# Altium PCB PowerBoard.PcbDoc (part 3 of 4)
Units mm, origin at the board's own origin, x right, y up, seen from the top; angles counter-clockwise.
Board outline 214 x 155 mm, 4 copper layers (Top Layer, GND, VCC, Bottom Layer), stack 0.603 mm thick; 425 components, 261 nets, 1488 pads, 825 vias.
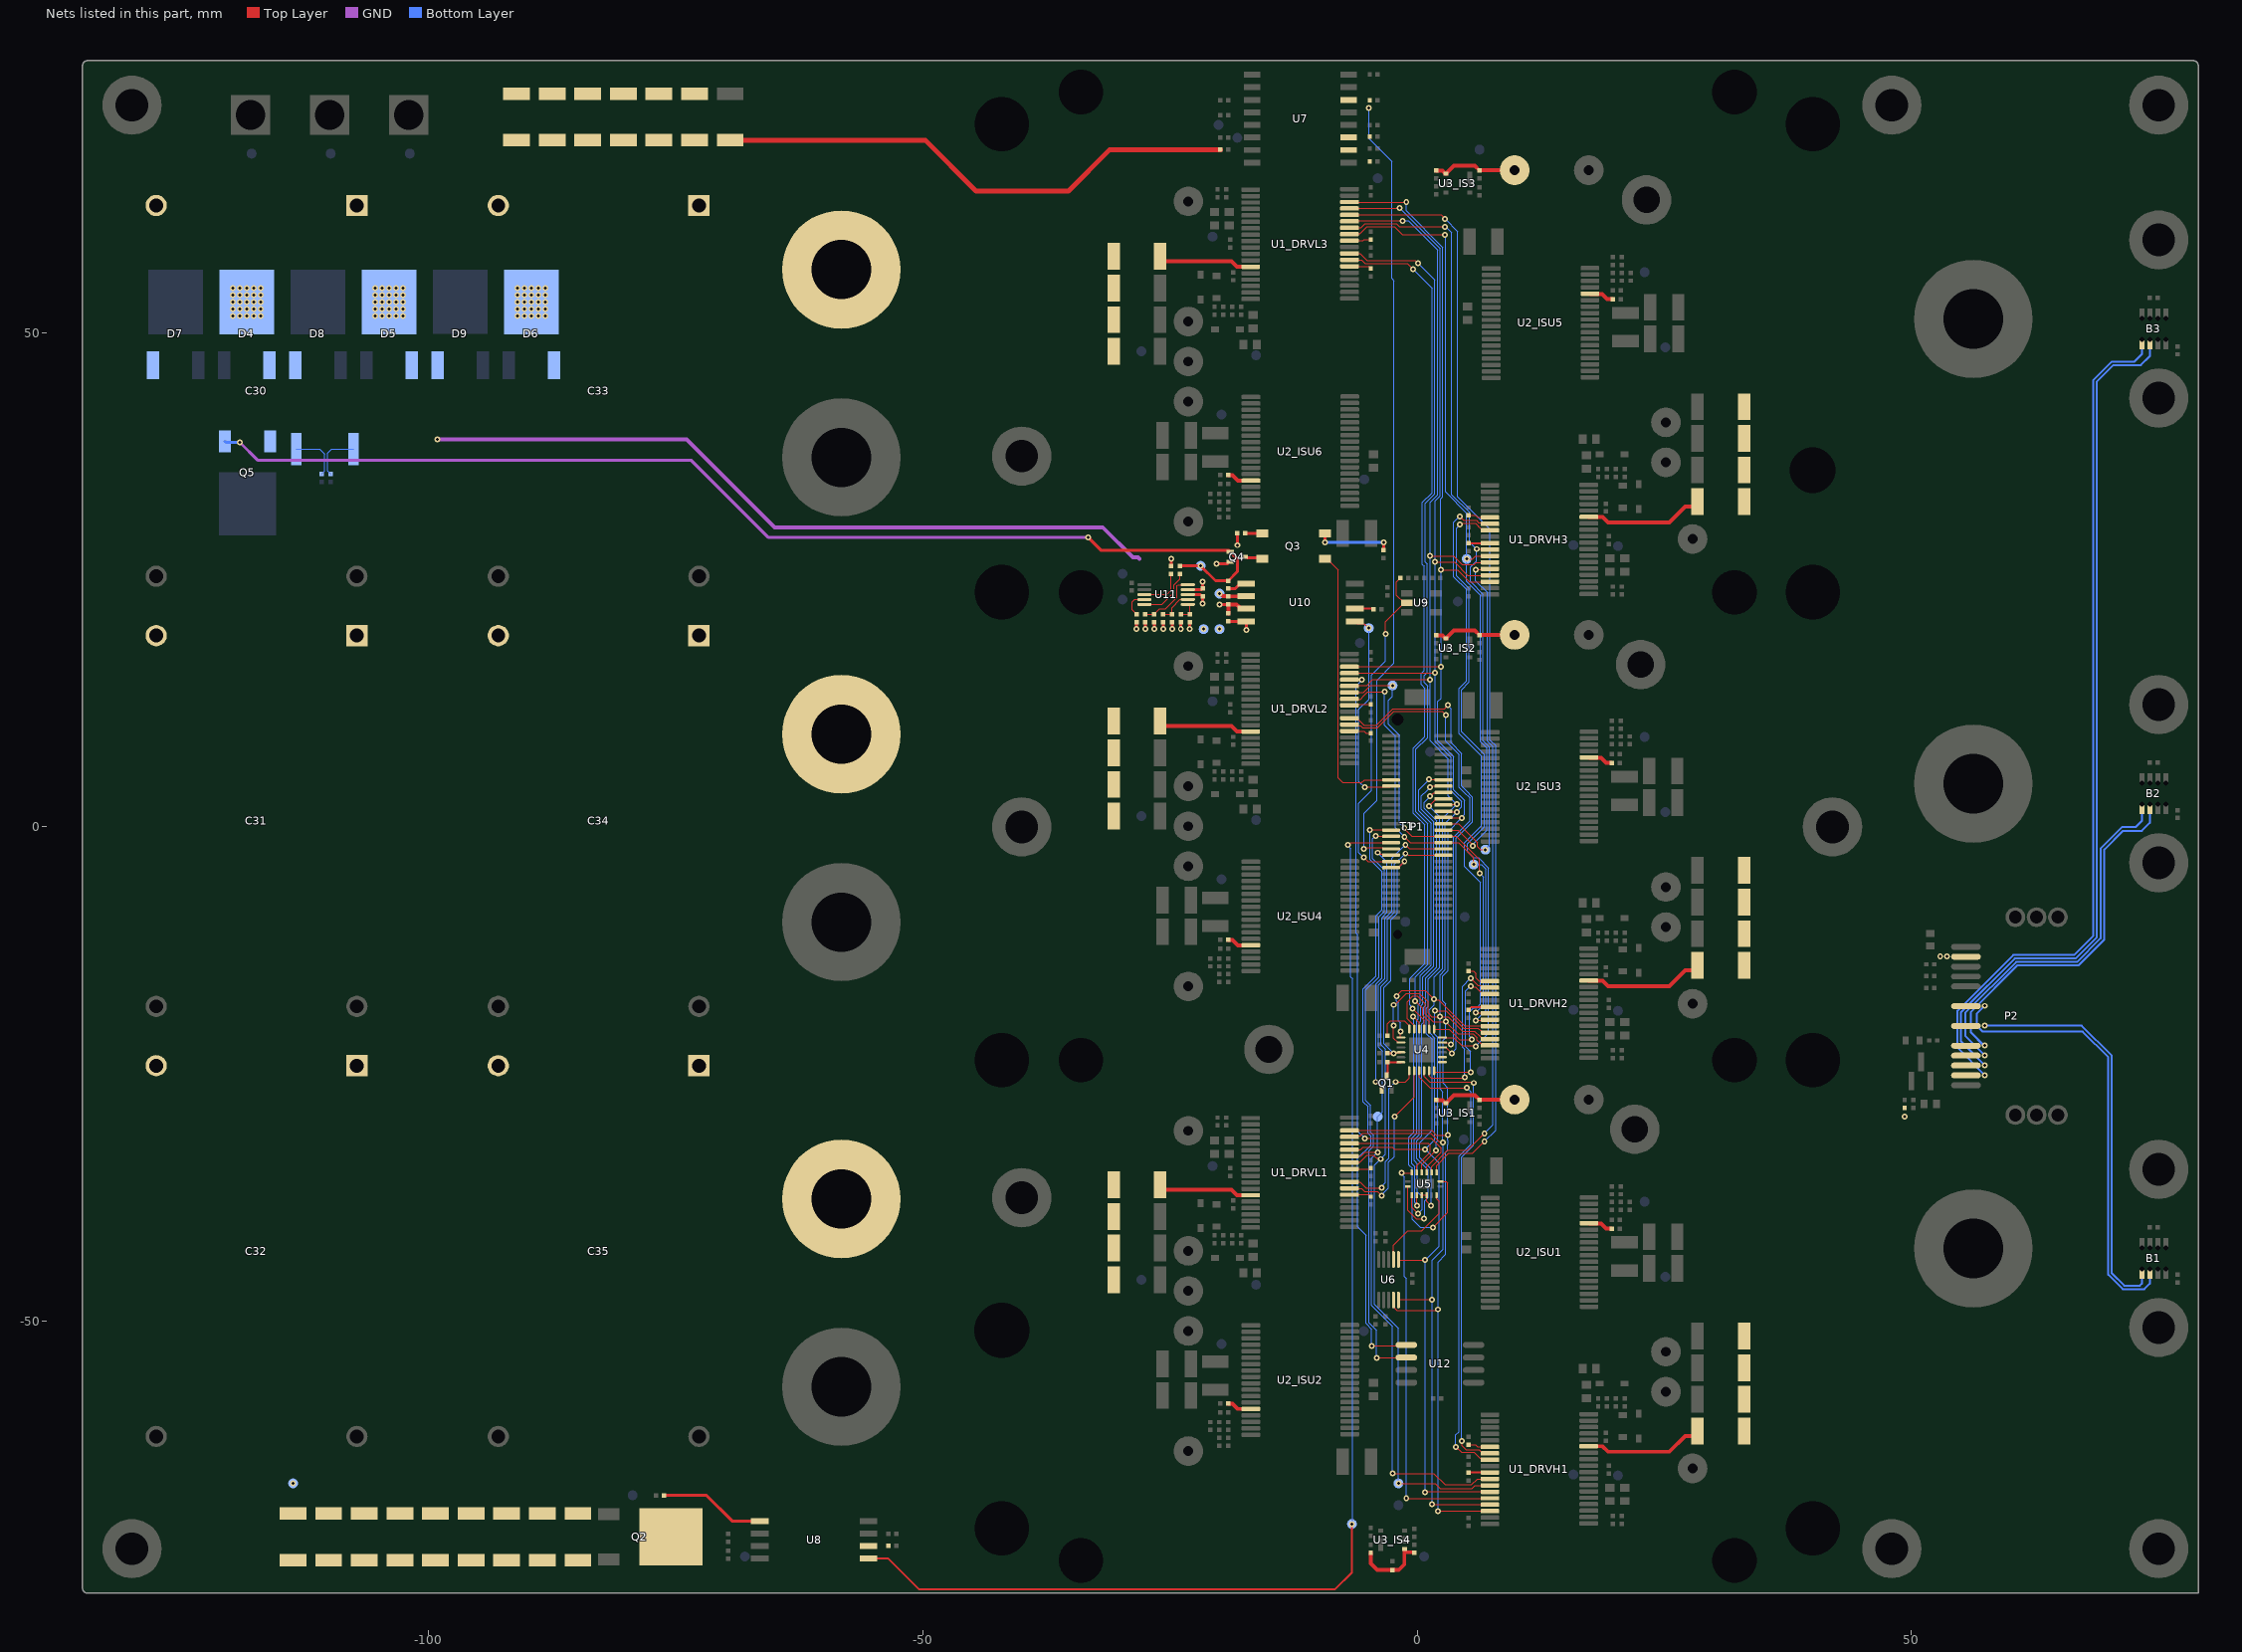
[diagram p5: the nets of this part, all layers, seen from the top]

## Via types
v1: diameter 0.6, hole 0.3, Top Layer to Bottom Layer, tented both sides, 825 vias

## Nets (pads, with @x,y where several pads share a name; then routed paths per layer and width w, separated by ;. In a path a pad name is that pad's centre, name@x,y a point inside that pad or via, vN(x,y) a via of type N, cw(c..) or ccw(c..) an arc to the next point about the centre after c; other vN are vias at no path point) (continued)
NetFBON_1: FBON.1 P1.43 U8.1 | length 129.1
  Top Layer w0.12: v1(-7,-1.8) -6.902,-1.8 -6.69,-1.587 P1.43@-2.65,-1.587
  Top Layer w0.2: U8.1@-55.5,-74.005 -53.505,-74.005 ; -53.5,-74 -50.4,-77.1 -8.3,-77.1 -6.6,-75.4 v1(-6.6,-70.5)
  Bottom Layer w0.12: v1(-7,-1.8) -7,-1.919 -6.72,-2.199 -6.72,-15.177 -6.55,-15.347 -6.55,-70.45 v1(-6.6,-70.5)
NetP1_20: P1.20 U5.4 U5.5 | length 46.2
  Top Layer w0.12: U5.4@0.45,-37.25 U5.5@0.95,-37.25 0.96,-37.26 0.96,-37.86 v1(1.4,-38.3) ; v1(1.2,2.1) 1.2,2.118 1.94,2.857 P1.20@2.65,2.857
  Bottom Layer w0.12: v1(1.2,2.1) 2.29,1.01 2.29,-14.216 1.12,-15.386 1.12,-18.147 0.92,-18.347 0.92,-20.899 1.51,-21.489 1.51,-30.69 0.25,-31.95 0.25,-33.45 1.4,-34.6 v1(1.4,-38.3)
NetP1_21: P1.21 U5.1 | length 50.9
  Top Layer w0.12: U5.1@-0.95,-36.35 -0.95,-38.771 -0.1,-39.621 v1(0.694,-39.621) ; v1(1.3,3.1) 1.3,3.11 1.647,3.457 2.614,3.457 P1.21@2.65,3.492
  Bottom Layer w0.12: v1(0.694,-39.621) 0.78,-39.535 0.78,-37.812 1.11,-37.482 1.11,-34.692 -0.02,-33.562 -0.02,-31.734 0.484,-31.229 0.484,-19.916 0.6,-19.8 0.6,-19.796 0.65,-19.746 0.65,-18.235 0.85,-18.035 0.85,-15.274 1.948,-14.176 1.948,0.631 0.69,1.889 0.69,2.49 v1(1.3,3.1)
NetP1_22: P1.22 U5.2 | length 48.8
  Top Layer w0.12: U5.2@-0.55,-37.25 -0.55,-38.471 0.079,-39.1 v1(0.1,-39.1) ; v1(1.3,4) 1.43,4 1.557,4.127 P1.22@2.65,4.127
  Bottom Layer w0.12: v1(0.1,-39.1) 0.51,-38.69 0.51,-37.38 0.03,-36.9 0.03,-34.084 -0.29,-33.764 -0.29,-31.622 0.214,-31.117 0.214,-19.8 0.38,-19.634 0.38,-18.123 0.58,-17.923 0.58,-15.162 1.678,-14.064 1.678,0.428 1.668,0.438 1.668,0.529 0.42,1.777 0.42,3.141 0.989,3.71 1.01,3.71 v1(1.3,4)
NetP1_23: P1.23 U5.3 | length 47.6
  Top Layer w0.12: U5.3@-0.05,-37.25 -0.025,-37.275 -0.025,-38.275 v1(0,-38.3) ; v1(1.2,4.8) 1.219,4.781 2.631,4.781 P1.23@2.65,4.763
  Bottom Layer w0.12: v1(0,-38.3) 0,-38.23 -0.24,-37.99 -0.24,-34.36 -0.56,-34.04 -0.56,-31.51 -0.056,-31.006 -0.056,-19.576 0.11,-19.41 0.11,-18.011 0.31,-17.811 0.31,-15.05 1.408,-13.952 1.408,0.365 0.15,1.623 0.15,3.75 v1(1.2,4.8)
NetP1_39: P1.39 R18.1 U4.22 | length 23.7
  Top Layer w0.12: P1.39@-2.65,-4.127 -1.926,-4.127 v1@-1.3,-3.501 ; v1(-2.4,-22.9) -2.323,-22.823 -1.673,-22.823 U4.22@-1.65,-22.8
  Top Layer w0.2: R18.1@-3.05,-22.85 R18.1@-3,-22.9 v1(-2.4,-22.9)
  Bottom Layer w0.12: v1(-2.4,-22.9) -3.38,-21.92 -3.38,-16.229 -2.67,-15.519 -2.67,-9.4 -2.031,-8.761 -2.031,-4.231 v1(-1.3,-3.5)
NetP1_40: P1.40 R44.1 U9.2 | length 34.1
  Top Layer w0.12: v1(-5.4,-3.1) -5,-3.5 P1.40@-2.658,-3.5 ; v1(-3.2,19.5) -3.2,20.775 -1.375,22.6 U9.2@-1.375,22.65 ; R44.1@-1.7,25.2 -2.1,24.8 -2.1,23.425 -1.375,22.7 -1.325,22.65 U9.2@-1.05,22.65
  Bottom Layer w0.12: v1(-5.4,-3.1) -5.91,-2.59 -5.91,2.39 -4.63,3.67 -4.63,15.37 -3.2,16.8 v1(-3.2,19.5)
NetP1_41: P1.41 Q1.1 | length 26.6
  Top Layer w0.12: v1(-4.2,-25.8) -3.74,-26.26 -3.74,-26.46 Q1.1@-3.6,-26.6 ; v1(-4,-2.6) -3.87,-2.6 -3.711,-2.759 -2.748,-2.759 P1.41@-2.65,-2.857
  Bottom Layer w0.12: v1(-4.2,-25.8) -4.19,-25.79 -4.19,-15.893 -3.59,-15.293 -3.59,-9.175 -3.05,-8.635 -3.05,-3.55 v1(-4,-2.6)
NetP1_42: P1.42 R21.1 U7.14 | length 80.1
  Top Layer w0.12: v1(-5.4,-2.2) -5.27,-2.2 -5.16,-2.09 -3.522,-2.09 -3.39,-2.222 P1.42@-2.65,-2.222
  Bottom Layer w0.12: v1(-5.4,-2.2) -5.4,1.379 -4.08,2.699 -4.08,14.82 -2.35,16.55 -2.35,55.247 -2.58,55.477 -2.58,67.28 -4.9,69.6 v1(-4.9,72.7)
NetP1_44: P1.44 U12.6 | length 59.6
  Top Layer w0.12: v1(-4.2,-0.9) -4.174,-0.926 -2.676,-0.926 P1.44@-2.65,-0.953 ; v1(-4.1,-53.7) -4.082,-53.682 -1.117,-53.682 U12.6@-1.1,-53.665
  Bottom Layer w0.12: v1(-4.2,-0.9) -4.51,-1.21 -4.51,-3.19 -3.88,-3.82 -3.877,-3.82 -3.32,-4.377 -3.32,-8.523 -3.89,-9.093 -3.89,-15.172 -5.21,-16.492 -5.21,-27.687 -4.72,-28.177 -4.72,-28.18 -4.71,-28.19 -4.71,-30.887 -4.42,-31.177 -4.42,-32.289 -4.87,-32.739 -4.87,-50.144 -4.1,-50.914 v1(-4.1,-53.7)
NetP1_45: P1.45 U12.5 | length 60.7
  Top Layer w0.12: v1(-4.8,-0.3) -4.791,-0.309 -2.659,-0.309 P1.45@-2.65,-0.318 ; v1(-4.621,-52.521) -4.558,-52.458 -1.163,-52.458 U12.5@-1.1,-52.395
  Bottom Layer w0.12: v1(-4.8,-0.3) -4.78,-0.32 -4.78,-3.302 -3.992,-4.09 -3.989,-4.09 -3.59,-4.489 -3.59,-8.411 -4.16,-8.981 -4.16,-15.06 -5.48,-16.38 -5.48,-27.799 -4.99,-28.289 -4.99,-30.989 -4.69,-31.289 -4.69,-32.178 -6.01,-33.498 -6.01,-40.46 -5.19,-41.28 -5.19,-50.206 -4.6,-50.796 -4.6,-52.5 v1(-4.621,-52.521)
NetP1_52: P1.52 RFON.1 U10.1 | length 21.5
  Top Layer w0.12: U10.1@-6.3,20.795 -6.06,20.555 -5.355,20.555 v1(-4.9,20.1) ; v1(-5.3,4) -5.236,4.064 -2.714,4.064 P1.52@-2.65,4.127
  Bottom Layer w0.12: v1(-5.3,4) -5.91,4.61 -5.91,11.911 -4.9,12.921 RFON.1@-4.9,20.4
NetP1_53: P1.53 Q3.4 | length 28.4
  Top Layer w0.12: Q3.4@-9.25,27.13 -9.15,27.13 -8.81,26.79 -8.01,25.99 -8.01,4.968 -7.517,4.475 -5.64,4.475 -5.352,4.763 P1.53@-2.65,4.763
NetP2_1: P2.1 R61.1
  other v1: 49.3,-29.3 52.9,-13.1 53.6,-13.1
NetQ1_3: Q1.3 R19.1 U4.24 | length 2.5
  Top Layer w0.2: Q1.3@-3.1,-24.95 -3,-24.85 R19.1@-3,-23.8 U4.24@-1.65,-23.8
NetQ2_4: Q2.4 R40.1
NetQ3_1: Q3.1 R45.2 | length 1.8
  Top Layer w0.3: R45.2@-17.4,29.7 -17.385,29.685 -15.665,29.685 Q3.1@-15.65,29.67
NetQ3_3: Q3.3 Q4.3 | length 1.7
  Top Layer w0.3: Q4.3@-17.25,27.3 -17.165,27.215 -15.735,27.215 Q3.3@-15.65,27.13
NetQ3_6: Q3.6 R46.2 | length 7.6
  Top Layer w0.3: v1(-9.35,28.8) Q3.6@-9.35,29.67 ; R46.2@-3.4,28 v1(-3.4,28.8)
  Bottom Layer w0.3: v1(-9.35,28.8) v1(-3.4,28.8)
NetQ4_1: Q4.1 Q5.1 R48.1 R50.2 RFRG.1 | length 115.4
  Top Layer w0.3: v1(-33.3,29.3) -31.95,27.95 -19.05,27.95 -18.2,27.1 -18.2,25.8 R48.1@-19.1,24.9 -20.4,24.9 v1(-21.9,26.4) R50.2@-24,26.4
  GND w0.3: v1(-119.1,38.9) -117.3,37.1 -73.464,37.1 -65.664,29.3 v1(-33.3,29.3)
  Bottom Layer w0.3: Q5.1@-120.58,38.98 -120.5,38.9 v1(-119.1,38.9)
NetQ5_3: Q5.3 R47.1 R51.2 | length 5.2
  Bottom Layer w0.12: R47.1@-113.4,38.2 -111,38.2 -110.5,37.7 -110.5,36 R51.2@-110.8,35.7
NetR2_1: R2.1 R16_IS4.2 R17_IS4.1 U3_IS4.1 | length 7.6
  Top Layer w0.381: R16_IS4.2@-4.7,-73.4 -4.7,-74.5 -4.05,-75.15 R2.1@-2.5,-75.15 -1.85,-75.15 -1.3,-74.6 -1.3,-73.366 ; U3_IS4.1@-1.3,-73.05 -1.3,-73.366 ; R17_IS4.1@-0.3,-73.4 -0.335,-73.366 -1.3,-73.366
NetR5_DRVH1_2: R5_DRVH1.2 U1_DRVH1.10 | length 2.2
  Top Layer w0.2: R5_DRVH1.2@5.2,-65.3 U1_DRVH1.10@7.35,-65.3
NetR5_DRVH2_2: R5_DRVH2.2 U1_DRVH2.10 | length 2.3
  Top Layer w0.2: R5_DRVH2.2@5.2,-18.5 5.45,-18.25 7.3,-18.25 U1_DRVH2.10@7.35,-18.2
NetR5_DRVH3_2: R5_DRVH3.2 U1_DRVH3.10 | length 2.2
  Top Layer w0.2: R5_DRVH3.2@5.2,28.7 U1_DRVH3.10@7.35,28.7
NetR5_DRVL1_2: R5_DRVL1.2 U1_DRVL1.10 | length 2.2
  Top Layer w0.12: U1_DRVL1.10@-6.85,-34.6 -4.8,-34.6 R5_DRVL1.2@-4.7,-34.5
NetR5_DRVL2_2: R5_DRVL2.2 U1_DRVL2.10 | length 2.2
  Top Layer w0.12: U1_DRVL2.10@-6.85,12.3 -6.75,12.4 R5_DRVL2.2@-4.7,12.4
NetR5_DRVL3_2: R5_DRVL3.2 U1_DRVL3.10 | length 2.2
  Top Layer w0.12: U1_DRVL3.10@-6.85,59.3 -5.5,59.3 -5.4,59.4 R5_DRVL3.2@-4.7,59.4
NetR6_DRVH1_2: R6_DRVH1.2 U1_DRVH1.6 | length 2.2
  Top Layer w0.12: R6_DRVH1.2@5.2,-62.5 5.881,-62.5 6.081,-62.7 U1_DRVH1.6@7.35,-62.7
NetR6_DRVH2_2: R6_DRVH2.2 U1_DRVH2.6 | length 2.8
  Top Layer w0.12: R6_DRVH2.2@5.2,-14.6 5.687,-14.6 5.926,-14.839 5.926,-15.286 6.24,-15.6 U1_DRVH2.6@7.35,-15.6
NetR6_DRVH3_2: R6_DRVH3.2 U1_DRVH3.6 | length 2.2
  Top Layer w0.12: R6_DRVH3.2@5.2,31.5 5.881,31.5 6.081,31.3 U1_DRVH3.6@7.35,31.3
NetR6_DRVL1_2: R6_DRVL1.2 U1_DRVL1.6 | length 2.2
  Top Layer w0.12: U1_DRVL1.6@-6.85,-37.2 -4.9,-37.2 R6_DRVL1.2@-4.7,-37.4
NetR6_DRVL2_2: R6_DRVL2.2 U1_DRVL2.6 | length 2.2
  Top Layer w0.12: U1_DRVL2.6@-6.85,9.7 -5.4,9.7 -5.2,9.5 R6_DRVL2.2@-4.7,9.5
NetR6_DRVL3_2: R6_DRVL3.2 U1_DRVL3.6 | length 2.2
  Top Layer w0.12: U1_DRVL3.6@-6.85,56.7 -4.9,56.7 R6_DRVL3.2@-4.7,56.5
NetR7_DRVH1_2: R7_DRVH1.2 R8_DRVH1.1
NetR7_DRVH2_2: R7_DRVH2.2 R8_DRVH2.1
NetR7_DRVH3_2: R7_DRVH3.2 R8_DRVH3.1
NetR7_DRVL1_2: R7_DRVL1.2 R8_DRVL1.1
NetR7_DRVL2_2: R7_DRVL2.2 R8_DRVL2.1
NetR7_DRVL3_2: R7_DRVL3.2 R8_DRVL3.1
NetR9_DRVH1_1: R9_DRVH1.1 U1_DRVH1.31 | length 11.9
  Top Layer w0.381: U1_DRVH1.31@17.35,-62.65 18.75,-62.65 19.3,-63.2 25.508,-63.2 27.108,-61.6 R9_DRVH1.1@28.35,-61.6
NetR9_DRVH1_2: R9_DRVH1.2 R10_DRVH1.1
NetR9_DRVH2_1: R9_DRVH2.1 U1_DRVH2.31 | length 11.9
  Top Layer w0.381: U1_DRVH2.31@17.35,-15.55 18.75,-15.55 19.3,-16.1 25.508,-16.1 27.108,-14.5 R9_DRVH2.1@28.35,-14.5
NetR9_DRVH2_2: R9_DRVH2.2 R10_DRVH2.1
NetR9_DRVH3_1: R9_DRVH3.1 U1_DRVH3.31 | length 11.9
  Top Layer w0.381: U1_DRVH3.31@17.35,31.35 18.75,31.35 19.3,30.8 25.508,30.8 27.108,32.4 R9_DRVH3.1@28.35,32.4
NetR9_DRVH3_2: R9_DRVH3.2 R10_DRVH3.1
NetR9_DRVL1_1: R9_DRVL1.1 U1_DRVL1.31 | length 9.7
  Top Layer w0.381: R9_DRVL1.1@-26.1,-37.135 -25.666,-36.7 -18.8,-36.7 -18.25,-37.25 U1_DRVL1.31@-16.85,-37.25
NetR9_DRVL1_2: R9_DRVL1.2 R10_DRVL1.1
NetR9_DRVL2_1: R9_DRVL2.1 U1_DRVL2.31 | length 9.7
  Top Layer w0.381: R9_DRVL2.1@-26.1,9.765 -25.666,10.2 -18.8,10.2 -18.25,9.65 U1_DRVL2.31@-16.85,9.65
NetR9_DRVL2_2: R9_DRVL2.2 R10_DRVL2.1
NetR9_DRVL3_1: R9_DRVL3.1 U1_DRVL3.31 | length 9.7
  Top Layer w0.381: R9_DRVL3.1@-26.1,56.765 -25.666,57.2 -18.8,57.2 -18.25,56.65 U1_DRVL3.31@-16.85,56.65
NetR9_DRVL3_2: R9_DRVL3.2 R10_DRVL3.1
NetR11_ISU1_2: R11_ISU1.2 U2_ISU1.32 | length 2.5
  Top Layer w0.381: U2_ISU1.32@17.375,-40.075 17.409,-40.11 18.61,-40.11 19.116,-40.616 19.64,-40.616 R11_ISU1.2@19.675,-40.65
NetR11_ISU2_2: R11_ISU2.2 U2_ISU2.32 | length 2.5
  Top Layer w0.381: R11_ISU2.2@-19.125,-58.3 -19.09,-58.335 -18.69,-58.335 -18.15,-58.875 U2_ISU2.32@-16.825,-58.875
NetR11_ISU3_2: R11_ISU3.2 U2_ISU3.32 | length 2.5
  Top Layer w0.381: U2_ISU3.32@17.375,7.025 17.409,6.99 18.61,6.99 19.116,6.484 19.64,6.484 R11_ISU3.2@19.675,6.45
NetR11_ISU4_2: R11_ISU4.2 U2_ISU4.32 | length 2.5
  Top Layer w0.381: R11_ISU4.2@-19.125,-11.4 -19.09,-11.435 -18.69,-11.435 -18.15,-11.975 U2_ISU4.32@-16.825,-11.975
NetR11_ISU5_2: R11_ISU5.2 U2_ISU5.32 | length 2.5
  Top Layer w0.381: U2_ISU5.32@17.475,53.925 17.509,53.89 18.71,53.89 19.216,53.384 19.74,53.384 R11_ISU5.2@19.775,53.35
NetR11_ISU6_2: R11_ISU6.2 U2_ISU6.32 | length 2.5
  Top Layer w0.381: R11_ISU6.2@-19.125,35.6 -19.09,35.565 -18.69,35.565 -18.15,35.025 U2_ISU6.32@-16.825,35.025
NetR16_IS1_2: R16_IS1.2 R17_IS1.1 T1.T1 U3_IS1.1 | length 8.7
  Top Layer w0.381: R17_IS1.1@1.9,-27.6 1.934,-27.634 2.534,-27.634 2.85,-27.95 2.95,-27.95 2.959,-27.941 2.959,-27.891 3.717,-27.133 5.833,-27.133 R16_IS1.2@6.3,-27.6 6.31,-27.59 9.84,-27.59 T1.T1@9.85,-27.58
NetR16_IS2_2: R16_IS2.2 R17_IS2.1 T1.T3 U3_IS2.1 | length 8.7
  Top Layer w0.381: R17_IS2.1@1.9,19.4 1.934,19.366 2.534,19.366 2.85,19.05 2.95,19.05 2.959,19.059 2.959,19.109 3.717,19.867 5.833,19.867 R16_IS2.2@6.3,19.4 6.31,19.41 9.84,19.41 T1.T3@9.85,19.42 T1.T3@9.9,19.47
NetR16_IS3_2: R16_IS3.2 R17_IS3.1 T1.T5 U3_IS3.1 | length 8.7
  Top Layer w0.381: R17_IS3.1@1.9,66.4 1.934,66.366 2.534,66.366 2.85,66.05 2.95,66.05 2.959,66.059 2.959,66.109 3.717,66.867 5.833,66.867 R16_IS3.2@6.3,66.4 6.31,66.41 9.84,66.41 T1.T5@9.85,66.42
NetR20_1: R20.1 U4.18 | length 4.1
  Top Layer w0.12: R20.1@-3,-21.1 -3,-19.9 -2.69,-19.59 -1.31,-19.59 -0.8,-20.1 U4.18@-0.8,-20.45
NetR22_1: R22.1 R23.1
NetR23_2: R23.2 R24.2
NetR24_1: R24.1 R25.1
NetR25_2: R25.2 R26.2
NetR26_1: R26.1 R28.1
NetR27_2: R27.2 U7.11
NetR28_2: R28.2 R29.2 R31.2 | length 53.5
  Top Layer w0.5: R31.2@-69.5,69.45 -49.75,69.45 -44.6,64.3 -35.3,64.3 -31.1,68.5 R29.2@-19.9,68.5
NetR30_2: R30.2 U7.10
NetR32_1: R32.1 R33.1
NetR33_2: R33.2 R34.2
NetR34_1: R34.1 R35.1
NetR35_2: R35.2 R36.2
NetR36_1: R36.1 R37.1
NetR37_2: R37.2 R38.2
NetR38_1: R38.1 R39.1
NetR39_2: R39.2 R40.2
NetR41_2: R41.2 U8.5 | length 10.8
  Top Layer w0.3: R41.2@-76.2,-67.6 -71.9,-67.6 -69.305,-70.195 U8.5@-66.5,-70.195
NetR42_2: R42.2 U8.2
NetR48_2: R48.2 U10.5 | length 2
  Top Layer w0.3: R48.2@-19.1,24.1 -18.405,24.1 -17.9,24.605 U10.5@-17.3,24.605
NetR50_1: R50.1 U11.5 | length 5.6
  Top Layer w0.12: U11.5@-27.6,22.5 -25.8,22.5 -24.6,23.7 -24.6,24.49 -24,25.09 R50.1@-24,25.6
NetR52_2: R52.2 U10.2 | length 1.9
  Top Layer w0.2: U10.2@-6.3,22.065 -4.465,22.065 R52.2@-4.4,22
NetR53_2: R53.2 U11.4 | length 2.8
  Top Layer w0.12: R53.2@-28.4,21.5 -28.85,21.95 -28.85,22.75 -28.6,23 U11.4@-27.6,23
NetR60_1: R60.1 U11.3 | length 4.6
  Top Layer w0.12: U11.3@-27.6,23.5 -25.3,23.5 -24.9,23.9 R60.1@-24.9,25.6
NetU4_7: U4.7
NetU4_8: U4.8
nFU1: B1.6 P2.8 | length 45
  Bottom Layer w0.2: v1(57.4,-18.1) 56.583,-18.917 56.583,-20.083 57.2,-20.7 67.3,-20.7 69.9,-23.3 69.9,-45.295 71.355,-46.75 73.55,-46.75 74.1,-46.2 B1.6@74.1,-45.18
nFU2: B1.5 P2.9 | length 40.8
  Bottom Layer w0.2: v1(57.4,-20.1) 67.2,-20.1 70.25,-23.15 70.25,-45.15 71.5,-46.4 73.1,-46.4 73.3,-46.2 B1.5@73.3,-45.18
nFV1: B2.6 P2.10 | length 37.5
  Bottom Layer w0.2: v1(57.4,-22.1) 57.305,-22.1 56,-20.795 56,-18.722 60.722,-14 66.885,-14 69.5,-11.385 69.5,-2.295 71.395,-0.4 73.3,-0.4 74.1,0.4 74.1,1.82 B2.6@74.1,2.32 B2.6@73.975,2.195
nFV2: B2.5 P2.3 | length 37.6
  Bottom Layer w0.2: v1(57.4,-23.1) 55.45,-21.15 55.45,-18.777 60.577,-13.65 66.74,-13.65 69.12,-11.27 69.12,-2.18 71.3,0 72.705,0 73.3,0.595 B2.5@73.3,1.82
nFW1: B3.6 P2.11 | length 87.6
  Bottom Layer w0.2: v1(57.4,-24.1) 55,-21.7 55,-18.732 60.432,-13.3 66.595,-13.3 68.709,-11.186 68.709,45.009 70.4,46.7 73.2,46.7 74.1,47.6 74.1,48.82 B3.6@74.1,49.32
nFW2: B3.5 P2.4 | length 87.7
  Bottom Layer w0.2: v1(57.4,-25.1) 54.65,-22.35 54.65,-18.587 60.287,-12.95 66.45,-12.95 68.359,-11.041 68.359,44.954 68.359,45.154 70.255,47.05 70.455,47.05 72.55,47.05 73.3,47.8 B3.5@73.3,48.82
P: C30.1 C30.3 C31.1 C31.3 C32.1 C32.3 C33.1 C33.3 C34.1 C34.3 C35.1 C35.3 D4.1 D4.4 D5.1 D5.4 D6.1 D6.4 DCP.1 R22.2 R32.2 T1.P1 T1.P2 T1.P3
  other v1: -113.7,-66.4 -119.8,51.687 -119.1,51.687 -118.4,51.687 -117.7,51.687 -117,51.687 -105.4,51.687 -104.7,51.687 -104,51.687 -103.3,51.687 -102.6,51.687 -91,51.687 -90.3,51.687 -89.6,51.687 -88.9,51.687 -88.2,51.687 -119.8,52.387 -119.1,52.387 -118.4,52.387 -117.7,52.387 -117,52.387 -105.4,52.387 -104.7,52.387 -104,52.387 -103.3,52.387 -102.6,52.387 -91,52.387 -90.3,52.387 -89.6,52.387 -88.9,52.387 -88.2,52.387 -119.8,53.087 -119.1,53.087 -118.4,53.087 -117.7,53.087 -117,53.087 -105.4,53.087 -104.7,53.087 -104,53.087 -103.3,53.087 -102.6,53.087 -91,53.087 -90.3,53.087 -89.6,53.087 -88.9,53.087 -88.2,53.087 -119.8,53.787 -119.1,53.787 -118.4,53.787 -117.7,53.787 -117,53.787 -105.4,53.787 -104.7,53.787 -104,53.787 -103.3,53.787 -102.6,53.787 -91,53.787 -90.3,53.787 -89.6,53.787 -88.9,53.787 -88.2,53.787 -119.8,54.487 -119.1,54.487 -118.4,54.487 -117.7,54.487 -117,54.487 -105.4,54.487 -104.7,54.487 -104,54.487 -103.3,54.487 -102.6,54.487 -91,54.487 -90.3,54.487 -89.6,54.487 -88.9,54.487 -88.2,54.487
PWM_UH: P1.11 PUH.1 U1_DRVH1.12 U1_DRVL1.11 | length 83.5
  Top Layer w0.12: U1_DRVL1.11@-6.85,-33.95 -6.791,-33.89 -5.79,-33.89 -5.1,-33.2 -4.453,-33.2 -4.145,-33.508 -3.792,-33.508 v1(-3.7,-33.6) ; v1(-1.9,-66.4) 1.8,-66.4 2.3,-66.9 5.529,-66.9 5.829,-66.6 U1_DRVH1.12@7.35,-66.6 ; v1(-1.2,-2.7) -1.07,-2.7 -0.913,-2.857 P1.11@2.65,-2.857
  Bottom Layer w0.12: v1(-1.9,-66.4) -1.9,-50.7 -4.3,-48.3 -4.3,-34.2 v1(-3.7,-33.6) -3.2,-33.1 -3.2,-22.5 -3.65,-22.05 -3.65,-16.117 -3,-15.467 -3,-9.349 -2.301,-8.65 -2.301,-3.78 -1.221,-2.7 v1(-1.2,-2.7)
PWM_UL: P1.12 PUL.1 U1_DRVH1.11 U1_DRVL1.12 | length 83.8
  Top Layer w0.12: U1_DRVL1.12@-6.85,-33.3 -5.7,-33.3 -5.3,-32.9 v1(-4,-32.9) ; v1(-2.5,-65.4) 1.679,-65.4 2.814,-66.535 5.512,-66.535 6.097,-65.95 U1_DRVH1.11@7.35,-65.95 ; v1(-1.2,-1.8) -0.778,-2.222 P1.12@2.65,-2.222
  Bottom Layer w0.12: v1(-2.5,-65.4) -2.5,-50.5 -4.6,-48.4 -4.6,-33.5 v1(-4,-32.9) PUL.1@-4,-29.3 -3.5,-28.8 -3.5,-22.7 -3.92,-22.28 -3.92,-16.005 -3.27,-15.355 -3.27,-9.237 -2.571,-8.538 -2.571,-3.171 v1(-1.2,-1.8)
PWM_VH: P1.13 PVH.1 U1_DRVH2.12 U1_DRVL2.11 | length 46.7
  Top Layer w0.12: U1_DRVL2.11@-6.85,12.95 -6.825,12.925 -5.72,12.925 -5.366,13.279 -5.366,13.281 -5.012,13.635 -3.365,13.635 v1(-3.3,13.7) ; v1(-1.3,-1) -1.279,-1 -0.691,-1.587 P1.13@2.65,-1.587 4.184,-1.587 5.7,-3.103 v1(5.7,-3.8) ; v1(5.9,-19.6) 5.95,-19.55 7.3,-19.55 U1_DRVH2.12@7.35,-19.5
  Bottom Layer w0.12: v1(-3.3,13.7) -3.3,10.3 -2.194,9.194 -2.194,-0.106 v1(-1.3,-1) ; v1(5.7,-3.8) 6.5,-3.8 6.95,-4.25 6.95,-18.55 v1(5.9,-19.6)
PWM_VL: P1.14 PVL.1 U1_DRVH2.11 U1_DRVL2.12 | length 46.3
  Top Layer w0.12: U1_DRVL2.12@-6.85,13.6 -5.429,13.6 -4.729,14.3 v1(-2.5,14.3) ; v1(-1.3,-0.1) -1.3,-0.202 -0.549,-0.953 P1.14@2.65,-0.953 3.931,-0.953 6.3,-3.321 v1(6.3,-4.7) ; v1(5.9,-18.8) 5.925,-18.825 7.325,-18.825 U1_DRVH2.11@7.35,-18.85
  Bottom Layer w0.12: v1(-2.5,14.3) -2.5,13.2 -2.9,12.8 -2.9,10.4 -1.8,9.3 -1.8,0.4 v1(-1.3,-0.1) ; v1(5.9,-18.8) 5.903,-18.8 6.68,-18.023 6.68,-5.084 6.3,-4.704 v1(6.3,-4.7)
PWM_WH: P1.15 PWH.1 U1_DRVH3.12 U1_DRVL3.11 | length 80.6
  Top Layer w0.12: U1_DRVL3.11@-6.85,59.95 -6.791,60.01 -5.79,60.01 -5.1,60.7 -2.3,60.7 -1.5,59.9 v1(2.8,59.9) ; P1.15@2.65,-0.318 4.118,-0.318 5.6,-1.8 v1(5.6,-1.9) ; v1(5,27.1) 5.6,27.1 5.9,27.4 U1_DRVH3.12@7.35,27.4
  Bottom Layer w0.12: v1(2.8,59.9) 2.86,59.84 2.86,33.861 5.01,31.711 5.01,28.559 5,28.549 5,24.818 6.4,23.418 6.4,8.6 7.05,7.95 7.05,-0.35 5.6,-1.8 v1(5.6,-1.9)
PWM_WL: P1.16 PWL.1 U1_DRVH3.11 U1_DRVL3.12 | length 82.5
  Top Layer w0.12: U1_DRVL3.12@-6.85,60.6 -5.7,60.6 -5.27,61.03 -2.13,61.03 -1.8,60.7 v1(2.8,60.7) ; P1.16@2.65,0.318 4.182,0.318 6.11,-1.61 6.11,-2.01 6.39,-2.29 6.89,-2.29 v1(6.9,-2.3) ; v1(6,28.1) 6.025,28.075 7.325,28.075 U1_DRVH3.11@7.35,28.05